# Allegro board Flatburn-main PCB.brd (continued)
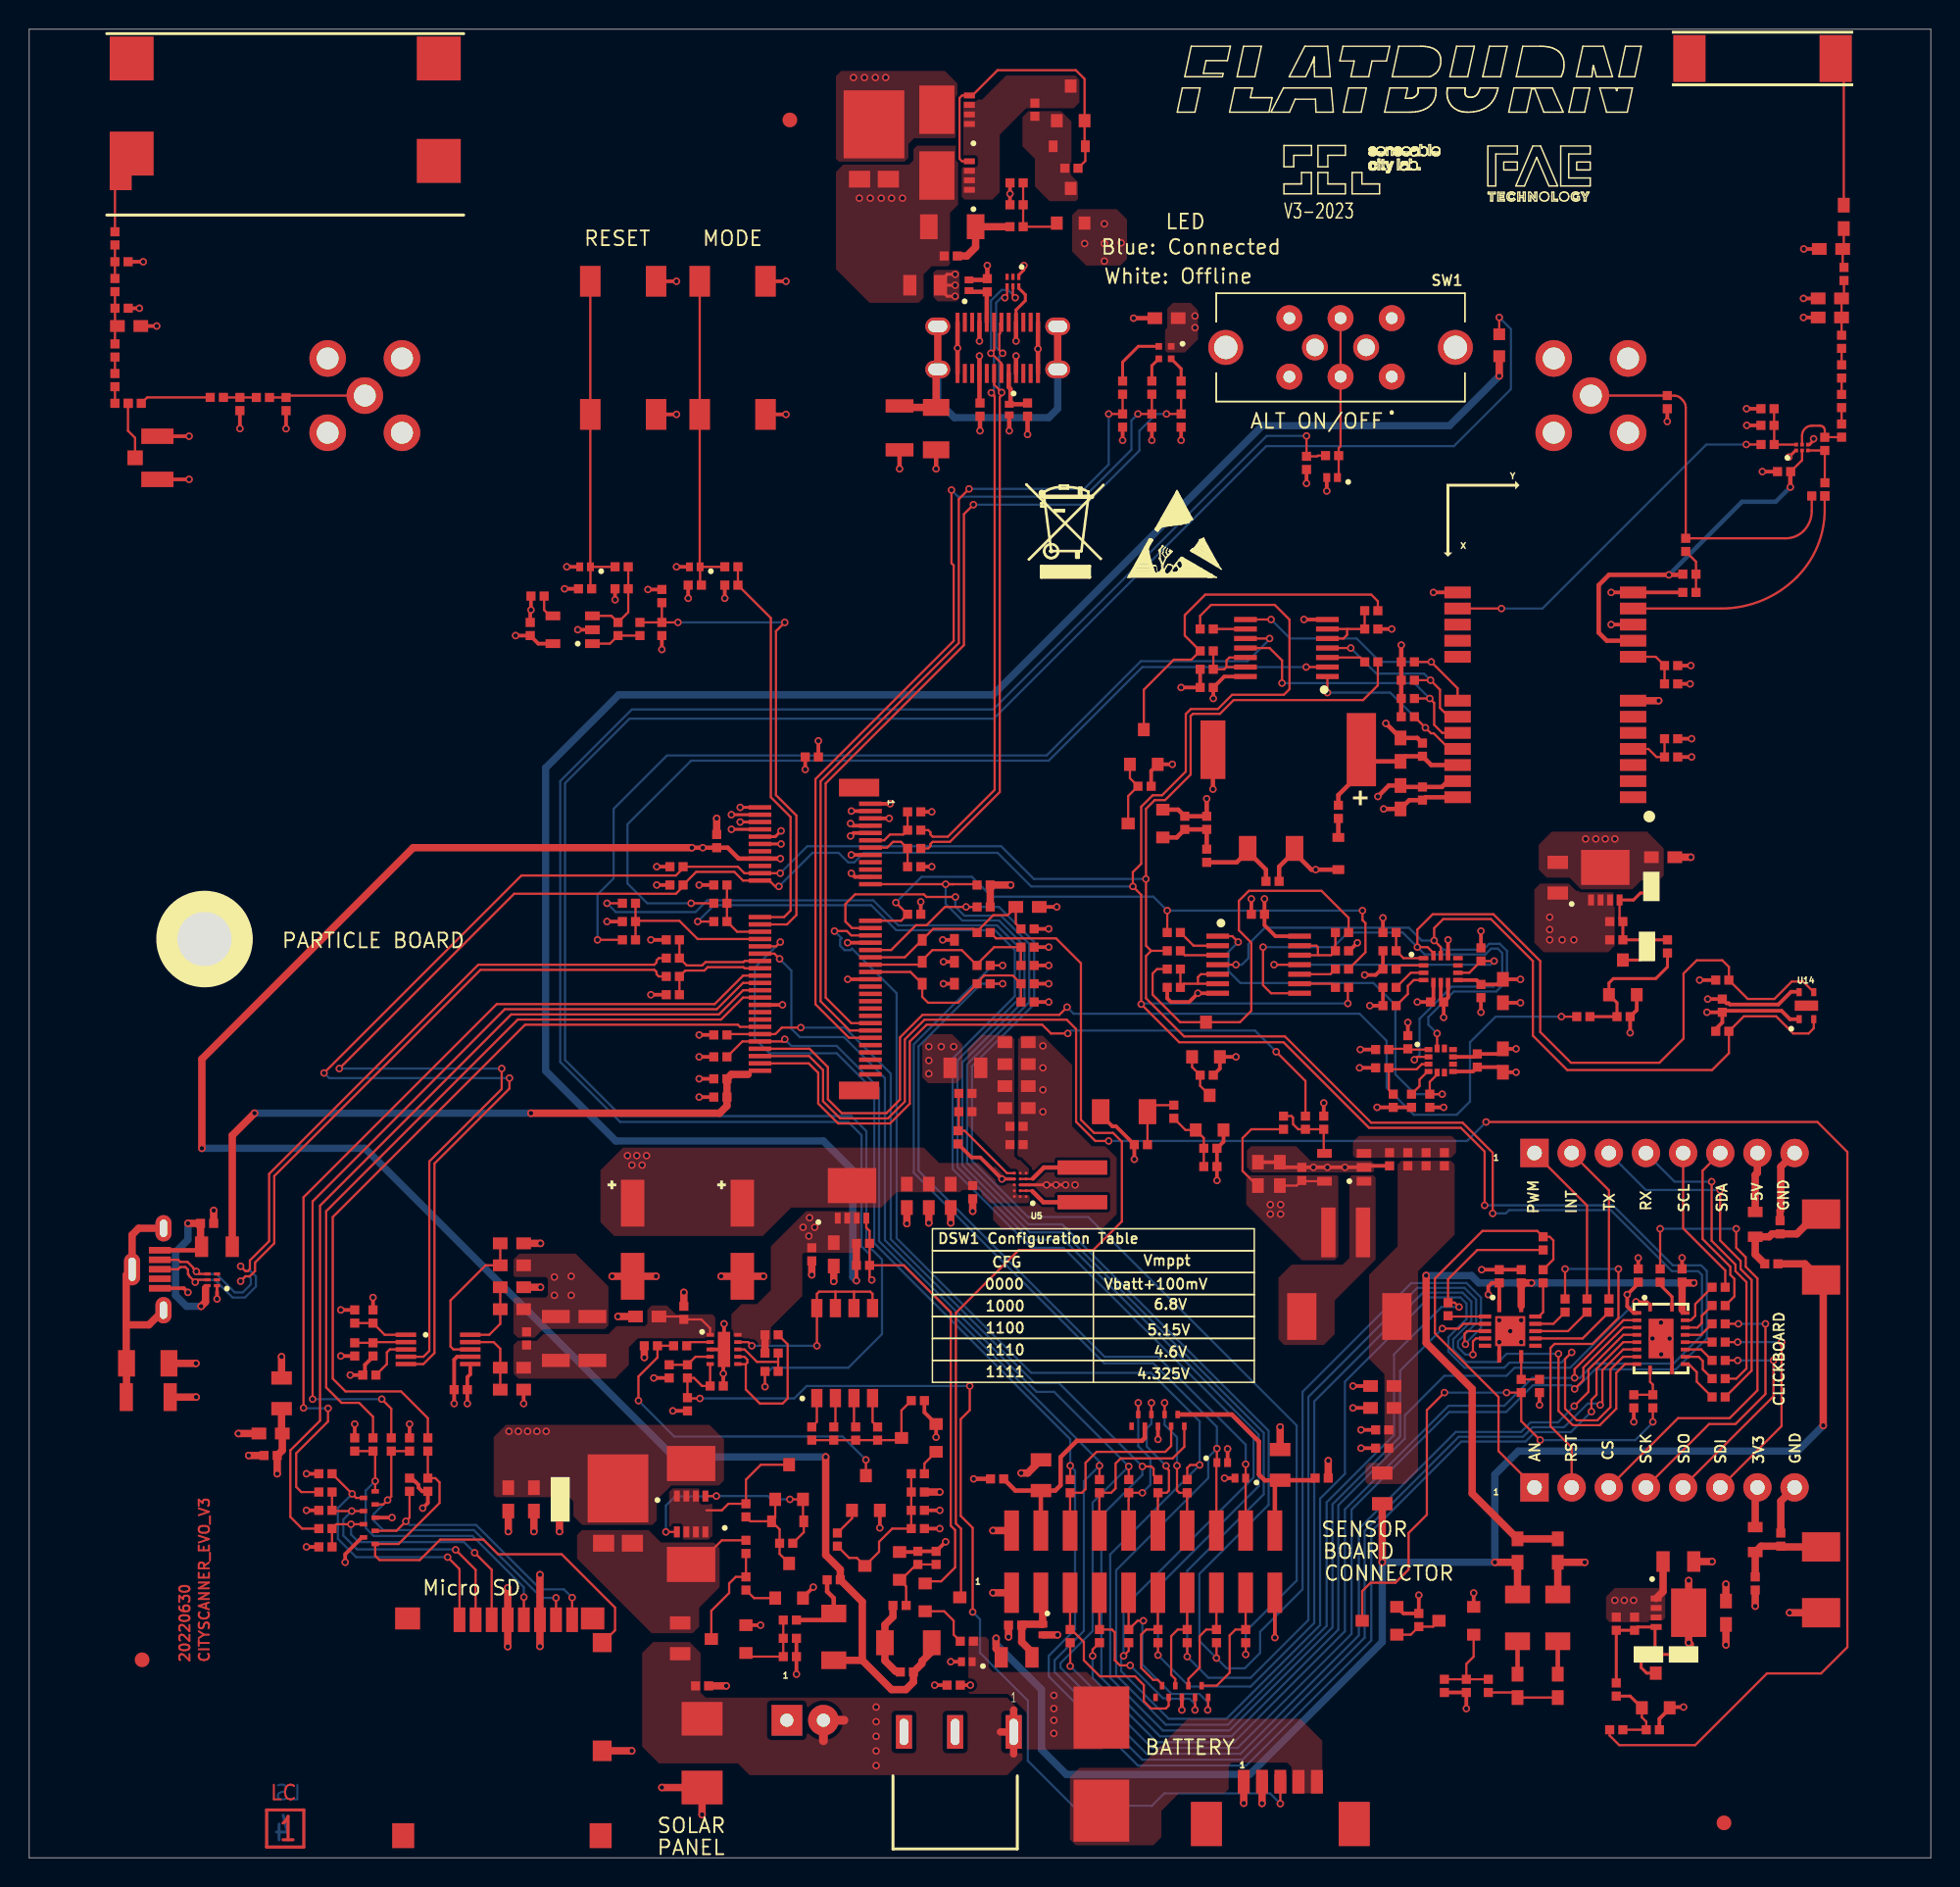
[diagram p0: board, top side]
## Library data of the parts
ANT1 = ANT - NN02-220 - LTE
ANT2 = ANT - NN02-224 - GNSS
C1 C5 C7 C9-C11 C13 C15-C20 C22 C24 C26-C30 C33 C36 C37 C44-C46 C53-C55 C58 C59 C62-C65 C71 C73-C75 C79 C87 C88 C90-C93 C95 C96 C98-C101 C103 C105 C106 = CS-C-0402-100n/50V
C2 C3 C25 C32 C41-C43 C47-C52 C56 C57 C60 C61 C78 C80 C89 = CS-C-0603-10u/10V-X5R
C4 = RS-0603-100k
C6 C12 = CS-C-1206-10n/1kV
C8 C84 = CS-C-0402-10n/50V
C14 C102 = CS-C-0402-1n/50V
C21 C23 = CS-E-D-220u/16V
C31 C34 C35 C72 C86 C94 C97 = CS-C-0603-1u/16V
C38 = CS-C-0402-22p/50V-NP0
C39 C40 = CS-C-0402-330p/50V-C0G
C67-C70 = CS-C-0402-33p/50V-C0G
C81 = CS-C-0402-2.2p/50V-C0G
C82 C83 C104 = CS-C-0402-1.2p/50V-C0G
C85 = CS-SCAP-DSK - 330mF/3.3V
DS1 DS3 = SCHOTTKY - FSV1045V - 10A/45V
DS2 DS4 DS8-DS11 = SCHOTTKY-BAT54J - 0.3A/40V
DS5 DS6 = SCHOTTKY-SS14 - 1A/40V
DS7 = SCHOTTKY-SS34 - 3A/40V
DSW1 = DIP-SW-4x-0127-SMD
DZ1 DZ4 DZ6 DZ7 = ZENER - MMSZ5221BT1G - 2V4/0.5W
DZ2 DZ3 DZ5 = ZENER - MMSZ5226BT1G - 3V3/0.5W
F1 = RAPIDO - 0154005.DR - 5A/125V
F2 F3 = PTC - 0ZCM0020FF2G - 0.2A/9V
FID1-FID3 = FIDUCIAL
J1 = XH - J-2-0250-MOT-S2B-XH-A
J2 = JACK - DC - 54-00125
J4 = PICOBLADE - J-5-0125-MDS
J5 = PICOBLADE - J-5-0125-MOS
J6 = USB-3 - USB-C - DX07S024WJ3R400
J7 = HEADER-J-10x2-0200 - MDS
J8 = USB - MICROUSB-B-FDS-1051330001
J9 J10 = STRIP-J-8-0254-FDT
J12 = M2 - J-75-0050-MOS-M2-E
J13 = uSD-J-8-0110-FOS-SD-M5027740891
J14 J16 = SMA - 0733910060
J15 = UFL - U-FL-R-SMT-1-10
L1-L6 L9 = FIL-BLM21PG221SN1D-220R/2A
L7 = PW-XAL4030-682ME - 6.8u/3.9A
L8 = PW-XAL4020-102ME-1u/8.7A
L10 = L - LQW15AN2N3G80D - 2.3n/2.53A
L11 R2 R4 R8 R9 R11 R12 R35 R38 R61 R62 R78 R91 R102 R110 R112 R117 R128 R131 R132 R134 R139-R142 R149 R179 R180 R184 R190 R204 R218 R222-R224 R228 R241 R244-R246 R251 R252 = RS-0402-0r
L12 L14 L18 L21 = L - LQW15AN9N2G80D - 9.2n/1.4A
L13 = L - LQW15AN11NG80D - 11n/1.4A
L15 = L - LQG15HS27NJ02D-27n/0.35A
L16 L19 L20 = L - LQW15AN3N9C00 - 3.9n/0.75A
L17 = L - LQW15AN7N5H00D - 7.5n/0.57A
LD1 = LED R - GENERICO - 0603
LD2 = LED RGB - SML-LX0404SIUPGUSB
MOD1 = GPS - NEO-M8U-06B
OBJ1 = DISTANZIALE - M2.5x0250
PB1 PB2 = PB-SPST - FSM14JSMAS
Q1 Q2 Q6 Q7 Q13 Q17 Q18 = PMOS - SISS27DN - 23A/30V
Q3 Q4 Q9 Q10 Q12 Q15 Q23 Q25 = NPN - BC817-25 - 0.5A/45V
Q5 Q14 Q16 Q19 Q20 = NMOS - BSS138 - 0.2A/50V
Q8 Q11 Q22 Q24 = PMOS - BSS84 - 0.13A/50V
R1 R7 R17 R37 R57 R64 R90 R94 R108 R109 R116 R118-R120 R123 R133 R143 R145 R146 R153 R154 R171-R173 R181 R183 R185-R188 R208 R213 R215-R217 R219 R232 R236 R240 R243 R255 = RS-0402-100k
R3 R10 R59 R60 R63 R65 R71-R73 R81 R92 R93 R97 R105 R114 R115 R122 R127 R135 R144 R211 R212 R214 R220 R221 R233 R235 R239 R253 R254 = RS-0402-10k
R5 R13 R51 R87 R130 R210 R234 R242 = RS-0402-1k
R6 R53 R54 R77 R88 R89 R111 R113 R124 R125 R129 R177 R178 R197 R206 R225 R230 = RS-0402-100r
R14 R16 = RS-0402-5.1k
R15 R31 = RS-1206-1M
R18-R29 R32 R36 R39-R47 R50 R168-R170 R174 R175 R202 R209 R226 R231 = RS-0402-33r
R33 R34 R48 R49 = RS-0603-0r
R66 R68 = RS-1206-0r04
R67 R69 R136 = RS-0402-470r
R70 R79 R82-R84 = RS-0402-22k
R74-R76 = RS-0603-10r
R85 = RS-0402-330r
R86 = RS-0402-5.6k
R96 R101 = RS-0402-39.2k
R98 R99 R106 R107 = RS-0805-0r
R103 = RS-0402-12.4k
R104 = RS-0402-13k
R121 R126 R189 = RS-0402-2.2k
R158-R164 = RS-0402-47k
R176 = RS-0402-270r
R191 = RS-0402-10r
R256 R257 = RS-0402-12k
SW1 = SW-DPDT - FS22ABP
TVS1 = TVS-BID - SMBJ10CA - 10V/600W
TVS2 TVS4 TVS5 TVS8-TVS10 TVS12-TVS14 = TVS-UNI-NSPU3051N2T5G -5.5V/USB
TVS3 TVS6 = TVS-UNI3x - ESDR0502NMUTBG -USB
TVS7 TVS11 TVS15 = TVS-UNI8x - D3V3F8U9LP3810-7
TVS16 TVS17 = TVS-BID - PESD0402-140 - 14V
U1 = LEVEL SHIFTER-4x - TXS0104ERGYR
U2 = LEVEL SHIFTER-8x - TXS0108ERGYR
U3 = BAT-CHARGE - BQ24210DQCT
U4 = POWER MONITOR - ISL28022FUZ
U5 = BUCK-BOOST-ISL91107IIAZ-2A/ADJ
U6 = BOOST - LMR62014XMFX - 1.4A/ADJ
U7 = SUPERVISORY-1x - TPS3823-33DBV
U11 U15 = ASW-4xSPST - 74LV4066PW
U12 = SEN-ACC - KXTJ3-1057_2
U13 = SEN-ACC-GYR - LSM6DSO32
U14 = SEN-UMIDITA-TEMP - SHTC3
U16 = LNA-RF - BGA725L6E6327FTSA1

## Footprints (pads in the part's own frame, mm; a bottom-side part is the same pattern mirrored in y, then rotated)
ANT-NN02-220
  custom 3x4 smd: 1(0,-7)
  rect 3x3 smd: 2(21,-7) 3(0,0) 4(21,0)
ANT-NN02-224
  rect 2.2x3.2 smd: 1(5,0) 2(-5,0)
CS-C-0402
  rect 0.62x0.62 smd: 1(-0.45,0) 2(0.45,0)
CS-C-0603
  rect 1x0.8 smd: 1(-0.8,0) 2(0.8,0)
CS-C-1206
  rect 1.15x1.8 smd: 1(-1.5,0) 2(1.4,0)
CS-E-D
  rect 3.2x1.6 smd: 1(2.5,0) 2(-2.5,0)
CS-SCAP-DSK
  rect 5x2 smd: 1(0,5.075)
  rect 4x1.7 smd: 2(0,-5.075)
D-XDFN2
  rect 0.47x0.6 smd: 1(-0.365,0) 2(0.365,0)
DIST-WASMSIM0250
  round 6 hole 3.7: 1(0,0)
DSS-4-0127-MCDHN
  rect 0.76x1.25 smd: 1(-1.905,-3.075) 2(-0.635,-3.075) 3(0.635,-3.075) 4(1.905,-3.075) 5(1.905,3.075) 6(0.635,3.075) 7(-0.635,3.075) 8(-1.905,3.075)
F-LT154
  rect 4.24x3.81 smd: 1(-3.185,0) 2(3.185,0)
FIDUCIAL
  round 1 smd: 1(0,0)
FS-0603
  rect 0.7x1 smd: 1(-0.85,0) 2(0.85,0)
J-2-0250-MOT-S2B
  rect 2.1x2.1 hole 0.9: 1(-1.25,3.45)
  round 2.1 hole 0.9: 2(1.25,3.45)
J-3-MDS-UFL
  rect 1x1.05 smd: 1(0,-1.525)
  rect 1.05x2.2 smd: 2(-1.475,0) 3(1.475,0)
J-5-0065-FDS-UUSB1051330001
  rect 0.45x1.5 smd: 1(-1.3,-0.25) 2(-0.65,-0.25) 3(0,-0.25) 4(0.65,-0.25) 5(1.3,-0.25)
  oval 1.8x1.1 hole 1.2x0.5: 6(-2.8,0) 7(2.8,0)
  oval 2.2x1.1 hole 1.6x0.5: 8(0,-2.15)
J-5-0125-MDS-PICOBLADE
  rect 2.1x3 smd: (-3.8,-2.75) (6.3,-2.75)
  rect 0.8x1.3 smd: 1(-1.25,0) 2(0,0) 3(1.25,0) 4(2.5,0) 5(3.75,0)
J-5-0125-MOS-PICOBLADE
  rect 2.1x3 smd: (-5.05,-0.6) (5.05,-0.6)
  rect 0.8x1.6 smd: 1(-2.5,2.3) 2(-1.25,2.3) 3(0,2.3) 4(1.25,2.3) 5(2.5,2.3)
J-8-0110-FOS-SD-M502774
  rect 1.5x1.7 smd: (-9.65,14.76) (3.85,14.76)
  rect 1.6x1.5 smd: (-9.1,-0.09)
  rect 1.7x1.5 smd: (3.55,-0.09)
  rect 0.8x1.68 smd: 1(0,0) 2(-1.1,0) 3(-2.2,0) 4(-3.3,0) 5(-4.4,0) 6(-5.5,0) 7(-6.6,0) 8(-7.7,0)
  rect 1.29x1.3 smd: 9(-9.755,1.56)
  rect 1.29x1.4 smd: 10(-9.755,8.96)
J-8-0254-FDT
  rect 1.94x1.94 hole 1: 1(-8.89,0)
  round 1.94 hole 1: 2(-6.35,0) 3(-3.81,0) 4(-1.27,0) 5(1.27,0) 6(3.81,0) 7(6.35,0) 8(8.89,0)
J-10X2-0200-MDS-878322014
  rect 1x2.75 smd: 1(0,0) 2(0,4.25) 3(2,0) 4(2,4.25) 5(4,0) 6(4,4.25) 7(6,0) 8(6,4.25) 9(8,0) 10(8,4.25) 11(10,0) 12(10,4.25) 13(12,0) 14(12,4.25) 15(14,0) 16(14,4.25) 17(16,0) 18(16,4.25) 19(18,0) 20(18,4.25)
J-24-0050-FDS-USBC-DX07
  round 0 hole 0.6 unplated: (-5.5,1.3) (5.5,1.3)
  oval 1.7x1.2 hole 1.3x0.8: 10(-4.1,1.47) 11(4.1,1.47) 12(-4.1,-1.47) 13(4.1,-1.47)
  rect 0.27x1.3 smd: A1(-2.75,1.75) A2(-2.25,1.75) A3(-1.75,1.75) A4(-1.25,1.75) A5(-0.75,1.75) A6(-0.25,1.75) A7(0.25,1.75) A8(0.75,1.75) A9(1.25,1.75) A10(1.75,1.75) A11(2.25,1.75) A12(2.75,1.75) B1(2.75,-1.75) B2(2.25,-1.75) B3(1.75,-1.75) B4(1.25,-1.75) B5(0.75,-1.75) B6(0.25,-1.75) B7(-0.25,-1.75) B8(-0.75,-1.75) B9(-1.25,-1.75) B10(-1.75,-1.75) B11(-2.25,-1.75) B12(-2.75,-1.75)
J-54-00125
  round 0 hole 1.3 unplated: (0,0)
  rect 1.1x2.3 hole 0.6x1.8: 1(4,5) 2(-3.5,5) 3(0,5)
J-75-0050-MOS-M2-E
  rect 1.2x2.75 smd: (-10.35,4.5) (10.35,4.5)
  round 0 hole 1.1 unplated: (-10,0)
  round 0 hole 1.6 unplated: (10,0)
  rect 0.3x1.55 smd: 1(-9.25,5.275) 2(-9,-2.275) 3(-8.75,5.275) 4(-8.5,-2.275) 5(-8.25,5.275) 6(-8,-2.275) 7(-7.75,5.275) 8(-7.5,-2.275) 9(-7.25,5.275) 10(-7,-2.275) 11(-6.75,5.275) 12(-6.5,-2.275) 13(-6.25,5.275) 14(-6,-2.275) 15(-5.75,5.275) 16(-5.5,-2.275) 17(-5.25,5.275) 18(-5,-2.275) 19(-4.75,5.275) 20(-4.5,-2.275) 21(-4.25,5.275) 22(-4,-2.275) 23(-3.75,5.275) 32(-1.5,-2.275) 33(-1.25,5.275) 34(-1,-2.275) 35(-0.75,5.275) 36(-0.5,-2.275) 37(-0.25,5.275) 38(0,-2.275) 39(0.25,5.275) 40(0.5,-2.275) 41(0.75,5.275) 42(1,-2.275) 43(1.25,5.275) 44(1.5,-2.275) 45(1.75,5.275) 46(2,-2.275) 47(2.25,5.275) 48(2.5,-2.275) 49(2.75,5.275) 50(3,-2.275) 51(3.25,5.275) 52(3.5,-2.275) 53(3.75,5.275) 54(4,-2.275) 55(4.25,5.275) 56(4.5,-2.275) 57(4.75,5.275) 58(5,-2.275) 59(5.25,5.275) 60(5.5,-2.275) 61(5.75,5.275) 62(6,-2.275) 63(6.25,5.275) 64(6.5,-2.275) 65(6.75,5.275) 66(7,-2.275) 67(7.25,5.275) 68(7.5,-2.275) 69(7.75,5.275) 70(8,-2.275) 71(8.25,5.275) 72(8.5,-2.275) 73(8.75,5.275) 74(9,-2.275) 75(9.25,5.275)
J-FDT-SMA-73391
  round 2.5 hole 1.5: 1(0,0) 2(-2.54,2.54) 3(2.54,2.54) 4(-2.54,-2.54) 5(2.54,-2.54)
LD-0404-SMLLX
  rect 0.45x0.45 smd: 1(0.425,0.425) 2(0.425,-0.425) 3(-0.425,-0.425) 4(-0.425,0.425)
LD-0603
  rect 0.8x0.8 smd: 1(-0.75,0) 2(0.75,0)
LS-0402
  rect 0.62x0.62 smd: 1(-0.45,0) 2(0.45,0)
LS-0603
  rect 1x0.8 smd: 1(-0.8,0) 2(0.8,0)
LS-0805
  rect 0.9x1.4 smd: 1(-1.05,0) 2(1.05,0)
LS-XAL40
  rect 0.98x3.4 smd: 1(-1.185,0) 2(1.185,0)
MOD-NEO-M8U
  rect 1.8x0.8 smd: 1(-0.1,1) 2(-0.1,2.1) 3(-0.1,3.2) 4(-0.1,4.3) 5(-0.1,5.4) 6(-0.1,6.5) 7(-0.1,7.6) 8(-0.1,10.6) 9(-0.1,11.7) 10(-0.1,12.8) 11(-0.1,13.9) 12(-0.1,15) 13(-12.1,15) 14(-12.1,13.9) 15(-12.1,12.8) 16(-12.1,11.7) 17(-12.1,10.6) 18(-12.1,7.6) 19(-12.1,6.5) 20(-12.1,5.4) 21(-12.1,4.3) 22(-12.1,3.2) 23(-12.1,2.1) 24(-12.1,1)
MSOP10
  rect 1.4x0.3 smd: 1(0,0) 2(0,-0.5) 3(0,-1) 4(0,-1.5) 5(0,-2) 6(4.4,-2) 7(4.4,-1.5) 8(4.4,-1) 9(4.4,-0.5) 10(4.4,0)
PB-FSM14JS
  rect 1.4x2.1 smd: 1(2.25,4.55) 2(2.25,-4.55) 3(-2.25,4.55) 4(-2.25,-4.55)
POWERVDFN8-0330X0330
  rect 0.4x0.75 smd: 1(-0.975,-1.525) 2(-0.325,-1.525) 3(0.325,-1.525) 4(0.975,-1.525)
  rect 3.31x2.4 smd: 5(0,0.7)
RS-0402
  rect 0.62x0.62 smd: 1(-0.45,0) 2(0.45,0)
RS-0603
  rect 1x0.8 smd: 1(-0.8,0) 2(0.8,0)
RS-0805
  rect 0.9x1.4 smd: 1(-1.05,0) 2(1.05,0)
RS-1206
  rect 0.9x1.9 smd: 1(-1.5,0) 2(1.5,0)
SENS-SHTC3
  rect 1.6x0.7 smd: (0,0)
  rect 0.35x0.55 smd: 1(-0.5,-0.925) 2(0.5,-0.925) 3(0.5,0.925) 4(-0.5,0.925)
SMA
  rect 2x2.6 smd: 1(0,0) 2(4.5,0)
SMB
  rect 2.3x2.8 smd: 1(0,0) 2(4.7,0)
SMC
  rect 2x3.2 smd: 1(-3.25,0) 2(3.25,0)
SOD123
  rect 1.2x1.7 smd: 1(0,0) 2(3.2,0)
SOD323
  rect 0.6x0.8 smd: 1(0,0) 2(2.2,0)
SOT23
  rect 0.9x0.8 smd: 1(0,0) 2(0,1.9) 3(-2.37,0.95)
SOT23-5
  rect 0.6x1 smd: 1(0,0) 2(0.95,0) 3(1.9,0) 4(1.9,2.7) 5(0,2.7)
SW-FS22ABP
  round 2.388 hole 1.6: (-2,4.35) (-2,-11.35)
  round 1.778 hole 1.194: (-2,-1.75) (-2,-5.25)
  round 1.778 hole 0.813: 1(0,0) 2(0,-3.5) 3(0,-7) 4(-4,0) 5(-4,-3.5) 6(-4,-7)
TO277-3
  rect 1.45x1.15 smd: 1(0.985,-2.75) 2(-0.985,-2.75)
  rect 4.15x4.65 smd: 3(0,1)
TSSOP14
  rect 0.35x1.55 smd: 1(0,0) 2(0.65,0) 3(1.3,0) 4(1.95,0) 5(2.6,0) 6(3.25,0) 7(3.9,0) 8(3.9,5.6) 9(3.25,5.6) 10(2.6,5.6) 11(1.95,5.6) 12(1.3,5.6) 13(0.65,5.6) 14(0,5.6)
UDFN3810-9
  rect 0.305x0.508 smd: 1(-1.8,-0.4) 2(-0.9,-0.4) 3(0,-0.4) 4(0.9,-0.4) 5(1.8,-0.4) 6(1.35,0.4) 7(0.45,0.4) 8(-0.45,0.4) 9(-1.35,0.4)
UFBGA15-0151X0215
  round 0.212 smd: A1(-0.4,0.8) A2(0,0.8) A3(0.4,0.8) B1(-0.4,0.4) B2(0,0.4) B3(0.4,0.4) C1(-0.4,0) C2(0,0) C3(0.4,0) D1(-0.4,-0.4) D2(0,-0.4) D3(0.4,-0.4) E1(-0.4,-0.8) E2(0,-0.8) E3(0.4,-0.8)
UFDFN6
  rect 0.42x0.22 smd: 1(-0.325,0.4) 2(-0.325,0) 3(-0.325,-0.4) 4(0.325,-0.4) 5(0.325,0) 6(0.325,0.4)
unnamed#2
  round 0 hole 3 unplated: (0,0)
VFLGA12
  rect 0.525x0.35 smd: 1(-0.838,0.75) 2(-0.838,0.25) 3(-0.838,-0.25) 4(-0.838,-0.75) 7(0.838,-0.75) 8(0.838,-0.25) 9(0.838,0.25) 10(0.838,0.75)
  rect 0.35x0.525 smd: 5(-0.25,-0.825) 6(0.25,-0.825) 11(0.25,0.825) 12(-0.25,0.825)
VFLGA14L
  rect 0.65x0.3 smd: 1(-1.175,0.75) 2(-1.175,0.25) 3(-1.175,-0.25) 4(-1.175,-0.75) 8(1.175,-0.75) 9(1.175,-0.25) 10(1.175,0.25) 11(1.175,0.75)
  rect 0.3x0.65 smd: 5(-0.5,-0.925) 6(0,-0.925) 7(0.5,-0.925) 12(0.5,0.925) 13(0,0.925) 14(-0.5,0.925)
VFQFN14-EXP-0350X0350
  rect 0.85x0.28 smd: 1(-1.725,-0.75) 7(1.725,-0.75) 8(1.725,0.75) 14(-1.725,0.75)
  rect 0.28x0.85 smd: 2(-1,-1.725) 3(-0.5,-1.725) 4(0,-1.725) 5(0.5,-1.725) 6(1,-1.725) 9(1,1.725) 10(0.5,1.725) 11(0,1.725) 12(-0.5,1.725) 13(-1,1.725)
  rect 2.05x2.05 smd: 15(0,0)
VFQFN20-EXP-0350X0450
  rect 0.25x0.6 smd: 1(-0.75,2.15) 10(-0.75,-2.15) 11(0.75,-2.15) 20(0.75,2.15)
  rect 0.6x0.25 smd: 2(-1.65,1.75) 3(-1.65,1.25) 4(-1.65,0.75) 5(-1.65,0.25) 6(-1.65,-0.25) 7(-1.65,-0.75) 8(-1.65,-1.25) 9(-1.65,-1.75) 12(1.65,-1.75) 13(1.65,-1.25) 14(1.65,-0.75) 15(1.65,-0.25) 16(1.65,0.25) 17(1.65,0.75) 18(1.65,1.25) 19(1.65,1.75)
  rect 1.7x2.7 smd: 21(0,0)
WSON10-EXP
  rect 0.5x0.25 smd: 1(-0.95,1) 2(-0.95,0.5) 3(-0.95,0) 4(-0.95,-0.5) 5(-0.95,-1) 6(0.95,-1) 7(0.95,-0.5) 8(0.95,0) 9(0.95,0.5) 10(0.95,1)
  rect 0.84x2.4 smd: 11(0,0)
XFDFN6
  rect 0.25x0.25 smd: 1(0.4,0.2) 2(0,0.2) 3(-0.4,0.2) 4(-0.4,-0.2) 5(0,-0.2) 6(0.4,-0.2)

## Nets
3V3: C15.1 C17.1 C30.1 C58.2 C59.2 C62.1 C78.1 C91.1 C99.1 DS8.1(C) DS9.1(C) DS10.1(C) J12.10 J12.12 L3.1 L9.1 LD2.1 Q11.2(S) Q17.1 Q17.2 Q17.3(S_3) Q18.1 Q18.2 Q18.3(S_3) Q22.2(S) Q24.2(S) R37.2 R71.2 R72.2 R73.2 R98.2 R106.1 R107.1 R108.1 R109.1 R116.2 R118.2 R119.2 R120.2 R121.2 R122.2 R123.2 R126.2 R127.2 R153.2 R154.2 R171.2 R172.2 R173.2 R208.2 R232.2 R239.2 U1.1 U2.2 U4.6 U7.5 U11.14(VCC) U15.14(VCC)
3V3#: C61.1 C93.1 C94.1 C95.1 C96.1 C97.1 C98.1 C106.1 DS5.2 DZ4.1(C) DZ7.1(C) L5.1 Q17.5 R34.2 R61.1 R106.2 R214.2 R215.2 R216.2 R217.2 R219.2 R228.2 R252.1 R253.2 U12.7(VDD#7) U13.5(VDDIO) U13.8 U13.12 U14.1
3V3_GPS: C60.1 C88.1 C89.1 C105.1 DS11.2 DZ6.1(C) MOD1.23 Q18.5 R107.2 R181.2 R183.2 R185.2 R186.2 R187.2 R188.2 R204.2 R243.2
5V: DS6.2 DZ3.1(C) L6.2 R33.2 R62.1 R99.1
GND_ANALOG: C72.2 C73.2 C74.2 J12.39 J12.49 R9.1 R143.1 R144.1 R145.1 R149.1
GND_DIGITAL: C1.2 C2.2 C3.2 C4.1 C5.1 C6.1 C7.2 C8.1 C9.2 C10.2 C11.2 C12.1 C13.2 C14.1 C15.2 C16.2 C17.2 C18.2 C19.1 C20.2 C21.2 C23.2 C25.2 C26.2 C27.2 C28.2 C29.2 C30.2 C31.2 C32.2 C33.2 C34.2 C35.2 C36.2 C37.2 C41.2 C42.2 C43.2 C44.2 C45.2 C46.2 C47.2 C48.2 C49.2 C50.2 C51.2 C52.2 C53.2 C54.2 C55.2 C56.2 C57.2 C60.2 C61.2 C62.2 C63.2 C64.2 C65.2 C67.2 C68.2 C69.2 C70.2 C71.2 C75.2 C78.2 C79.2 C80.2 C83.1 C84.2 C85.2 C86.2 C87.2 C88.2 C89.2 C90.2 C91.2 C92.1 C93.2 C94.2 C95.2 C96.2 C97.2 C98.2 C99.2 C100.1 C101.2 C103.2 J1.1 J2.2 J2.3 J4.1 J4.2 J5.1 J5.2 J6.A1 J6.A12 J6.B1 J6.B12 J7.1 J7.2 J7.19 J8.5 J9.8 J10.8 J12.1 J12.3 J12.5 J12.7 J12.9(PIN9) J12.15 J12.21 J12.56 J13.6(VSS) J13.10 J14.2 J14.3 J14.4 J14.5 J15.2 J15.3 J16.2 J16.3 J16.4 J16.5 L12.2 L13.2 L16.2 L19.2 L20.2 MOD1.7 MOD1.10 MOD1.12 MOD1.13 MOD1.24 OBJ1.1 PB1.1 PB1.2 PB2.1 PB2.2 Q4.2(E) Q5.2(S) Q10.2(E) Q12.2(E) Q14.2(S) Q15.2(E) Q16.2(S) Q19.2(S) Q20.2(S) Q23.2(E) Q25.2(E) R7.1 R9.2 R14.1 R15.1 R16.1 R17.1 R31.1 R57.2 R59.1 R60.1 R85.1 R86.1 R90.1 R91.1 R92.1 R93.1 R94.1 R103.1 R104.1 R105.1 R114.1 R115.1 R130.1 R146.1 R149.2 R211.1 R212.1 R213.2 R220.1 R221.1 R222.1 R223.1 R233.1 R235.1 R236.2 R240.1 R246.2 R251.2 R254.1 R255.1 SW1.3 SW1.6 TVS1.2 TVS2.2 TVS3.1 TVS4.2 TVS5.2 TVS6.1 TVS7.3 TVS8.2 TVS9.2 TVS10.2 TVS11.3 TVS12.2 TVS13.2 TVS14.2 TVS15.3 TVS16.2 TVS17.2 U1.7 U1.15 U2.11 U2.21 U3.3 U3.11 U4.7 U5.C1 U5.C2 U5.D3 U6.2 U7.2 U11.7 U12.9 U13.6 U13.7 U14.4(VSS) U15.7 U16.1 U16.4
VBAT: C22.1 C32.1 C36.1 F1.2 LD1.2 Q13.1 Q13.2 Q13.3(S_3) R8.2 R63.2 R64.2 R65.1 R81.1 TVS2.1(C) U3.10
VBAT#: C21.1 C23.1 C41.1 C42.1 C43.1 C44.1 C55.1 C56.1 C57.1 J12.2 J12.4 J12.6 J12.8 L7.2 Q13.5 R97.2 U5.A1 U5.A2 U5.A3 U5.B3 U5.C3 U6.5(VIN)
VBAT_SENSE: Q8.3 R133.1
VDD: U12.10
ACC_I2C_INT: R219.1 U12.5 U15.1
EN_3V3#: J12.70 R111.1
EN_3V3_GPS: J12.68 R113.1
EN_5V: J12.72 R102.2
EXP_3V3: C9.1 J7.20 L3.2 TVS7.6
EXP_3V3#: C10.1 J7.4 L5.2 TVS7.2
EXP_5: J7.5 R29.2 TVS11.2
EXP_5V: C11.1 J7.3 L6.1 TVS10.1(C)
EXP_6: J7.6 R28.1 TVS7.4
EXP_7: J7.7 R27.2 TVS11.4
EXP_8: J7.8 R26.1 TVS7.5(IO8)
EXP_9: J7.9 R25.2 TVS11.5(IO8)
EXP_10: J7.10 R24.1 TVS7.9
EXP_11: J7.11 R23.2 TVS11.9
EXP_12: J7.12 R22.1 TVS7.8
EXP_13: J7.13 R21.2 TVS11.8
EXP_14: J7.14 R20.1 TVS7.7
EXP_15: J7.15 R19.2 TVS11.7
EXP_17: J7.17 R18.2 TVS11.6
GPS_LNA_EN: MOD1.14 R242.1
GPS_RX: R142.1 U11.10
GPS_RXD/SPI_MOSI: MOD1.21 R185.1 U11.1
GPS_SCL/SPI_CLK: MOD1.19 R187.1 U11.4
GPS_SDA/SPI_CS: MOD1.18 R188.1 U11.8
GPS_TX: R140.1 U11.2
GPS_TXD/SPI_MISO: MOD1.20 R186.1 U11.11
GPS_VCC_RF: C101.1 MOD1.9 R191.1 U16.2(VCC)
I2C_SCL: J12.20 R27.1 R126.1 R202.1 R226.1 U2.3 U4.5
I2C_SDA: J12.22 R29.1 R121.1 R209.1 R231.1 U2.4 U4.4
IMU_I2C_INT: R215.1 U13.9 U15.11
IMU_INT: J12.33 R154.1 R218.1 R224.2
IO_VDD: U12.11
LED_B_NEN: J12.65 R172.1 R177.2
LED_G_NEN: J12.63 R173.1 R178.2
LED_R_NEN: J12.61 R171.1 R176.1
NOISE_AN: J7.18 R136.2 TVS8.1(C)
NOISE_INT: J12.41 R18.1 R120.1
NTC_BAT: C28.1 J4.3 J5.3 R70.1 R86.2 U3.5
ON/OFF: C22.2 C29.1 Q8.1 Q13.4 R65.2 R77.2
SNSR_I2C_SCL: R216.1 U12.12 U13.13 U14.2 U15.4
SNSR_I2C_SDA: R217.1 U12.2 U13.14 U14.3 U15.8
SPI1_MISO: J12.66 R26.2 R153.1 U2.7
SPI1_MOSI: J12.40 R28.2 U2.6
SPI1_SCK: J12.42 R24.2 U2.5
UART_RX: J12.38 R127.1 R141.2 R142.2
UART_TX: J12.36 R122.1 R139.2 R140.2
UBUS_AN: J7.16 R35.1 R38.1 R135.1 TVS9.1(C)
UBUS_CS: J12.64 R22.2 R239.1 U2.1
UBUS_EN: Q11.3 R53.2 R54.2
UBUS_INT: J12.23 R21.1 R123.1 U1.5
UBUS_PWM: J12.35 R19.1 U1.4
UBUS_RST: J12.37 R20.2 U1.3
UBUS_RX: R23.1 R141.1 U2.9
UBUS_SOCKET_3V3: F2.1 J9.7
UBUS_SOCKET_5V: F3.2 J10.7
UBUS_SOCKET_AN: J9.1 R35.2 R39.2
UBUS_SOCKET_CS: J9.3 R32.2
UBUS_SOCKET_INT: J10.2 R45.2
UBUS_SOCKET_MISO: J9.5 R46.2
UBUS_SOCKET_MOSI: J9.6 R44.2
UBUS_SOCKET_PWM: J10.1 R43.2
UBUS_SOCKET_RST: J9.2 R41.2
UBUS_SOCKET_RX: J10.3 R50.2
UBUS_SOCKET_SCK: J9.4 R42.2
UBUS_SOCKET_SCL: J10.5 R36.2
UBUS_SOCKET_SDA: J10.6 R40.2
UBUS_SOCKET_TX: J10.4 R47.2
UBUS_TX: R25.1 R139.1 U2.8
UBUS_VCC: C16.1 C18.1 R33.1 R34.1 U1.14(VCCB) U2.19(VCCB)
UC_MODE: C64.1 J12.32 R124.2
UC_RST: C65.1 J12.34 R119.1 R125.2
USB_D+: J6.A6 J6.B6 R128.1 TVS3.5
USB_D-: J6.A7 J6.B7 R131.1 TVS3.4
USB_MODEM_D+: J8.3 R132.2 TVS6.5
USB_MODEM_D-: J8.2 R134.2 TVS6.4
USD_SPI_CD: J12.62 R175.1
USD_SPI_CS: J12.48 R168.1
USD_SPI_MISO: J12.50 R174.1
USD_SPI_MOSI: J12.52 R169.1
USD_SPI_SCK: J12.54 R170.1
VCHARGER: C2.1 C3.1 C4.2 C24.1 DS1.3(C) DS3.3(C) Q2.5 Q7.5 R66.1 R68.1 R74.2 R75.2
VSOLAR: DS1.1 DS1.2 L1.2 Q1.5 R1.2
VSOLAR#: C1.1 J1.2 J2.1 L1.1 TVS1.1(C)
VUSB: C71.1 DS3.1 DS3.2 DZ1.1(C) DZ2.1(C) DZ5.1(C) J12.16 L2.2 Q6.5 R2.2 R12.2 R78.2
VUSB#: C7.1 J6.A4 J6.A9 J6.B4 J6.B9(VBUS#B9) L2.1 TVS3.6(VBUS)
VUSB_MODEM: C75.1 J12.74 L4.2 R146.2
VUSB_MODEM#: C13.1 J8.1(VCC) L4.1 TVS6.6(VBUS)
N16742457: Q1.1 Q1.2 Q1.3(S_3) Q2.1 Q2.2 Q2.3(S_3) Q3.3 R3.1
N16744908: C6.2 J6.10 J6.11 J6.12 J6.13 R15.2
N16755571: J6.B5 R16.2 TVS5.1(C)
N16755841: J6.A5 R14.2 TVS4.1(C)
N16763959: R71.1 U4.3
N16763966: R72.1 R92.2 U4.2
N16763970: R73.1 R93.2 U4.1
N16764353: C31.1 R74.1 U4.8
N16764357: C35.1 R76.1 U4.9
N16764361: C34.1 R75.1 U4.10(VINP)
N16765000: C24.2 C25.1 C26.1 R66.2 R68.2 R76.2 U3.1
N16766251: C12.2 J8.6 J8.7 J8.8 R31.2
N16769654: DS7.2 L7.1 U6.1
N16771181: R97.1 R102.1 R105.2 U6.4
N16771488: C39.1 C40.1 C51.1 C52.1 C53.1 C54.1 DS7.1(C) R99.2 R101.1
N16771495: C39.2 C40.2 R101.2 R104.2 U6.3
N16779224: L8.1 U5.D1 U5.D2
N16779242: L8.2 U5.B1 U5.B2
N16779338: C38.2 C45.1 C46.1 C47.1 C48.1 C49.1 C50.1 R96.2 R98.1 U5.E1 U5.E2(VOUT#E2)
N16781804: C38.1 R96.1 R103.2 U5.E3
N16788090: R63.1 U3.6 U3.7
N16789205: DSW1.5 DSW1.6 DSW1.7 DSW1.8 U3.9
N16789342: DSW1.1 R79.2
N16789347: DSW1.2 R82.2
N16789356: DSW1.3 R83.2
N16789368: DSW1.4 R84.2
N16791240: Q16.3 R79.1 R82.1 R83.1 R84.1 R91.2
N16795124: R69.2 U3.2
N16797422: C27.1 R70.2 U3.4(VTSB)
N16810474: C37.1 Q15.3 R81.2 R88.2 R89.1 R94.2
N16818664: R77.1 SW1.2 SW1.5 TVS12.1(C)
N16824148: Q14.3 R69.1 R85.2
N16829740: C58.1 C106.2 Q17.4 R108.2 R110.2 R257.2
N16830191: C59.1 C105.2 Q18.4 R109.2 R112.2 R256.2
N16831120: Q20.1 R110.1 R111.2 R114.2
N16831197: Q19.1 R112.1 R113.2 R115.2
N16838473: C19.2 DS5.1(C) F2.2 R61.2
N16838692: C20.1 DS6.1(C) F3.1 R62.2
N16842202: C68.1 J12.13 R131.2
N16842214: C67.1 J12.11 R128.2
N16846008: PB2.3 PB2.4 R116.1 R124.1 TVS14.1(C)
N16850582: C63.1 R117.1 R129.1 U7.3
N16850584: PB1.3 PB1.4 R118.1 R129.2 TVS13.1(C)
N16850996: R130.2 U7.4(WDI)
N16851400: R117.2 R125.1 U7.1
N16857926: C79.1 C80.1 J13.4 L9.2 R158.2 R159.2 R160.2 R161.2 R162.2 R163.2 R164.2 TVS15.9
N16862250: J13.1 R158.1 TVS15.6
N16862253: J13.2 R159.1 R168.2 TVS15.7
N16862256: J13.3 R160.1 R169.2 TVS15.8
N16862259: J13.5 R161.1 R170.2 TVS15.5(IO8)
N16862262: J13.7 R162.1 R174.2 TVS15.4
N16862265: J13.8 R163.1 TVS15.2
N16862268: J13.9 R164.1 R175.2 TVS15.1
N16863101: C70.1 J12.44 R132.1
N16863104: C69.1 J12.46 R134.1
N16881333: Q6.1 Q6.2 Q6.3(S_3) Q7.1 Q7.2 Q7.3(S_3) Q9.3 R10.1
N16884438: C72.1 DS9.2 J12.43 R133.2 R143.2
N16884441: C73.1 DS8.2 J12.45 R135.2 R144.2
N16897203: F1.1 J4.4 J4.5 J5.4 J5.5
N16904182: Q8.2(S) R8.1
N16927679: C81.1 R179.2
N16927743: J15.1 R179.1 R180.2
N16927747: C81.2 L10.1(C)
N16927751: C82.1 C83.2 L10.2 L12.1(C)
N16927759: C82.2 L11.1 L13.1(C)
N16927765: ANT1.1 L11.2
N16927819: J14.1 R244.2 TVS16.1(C)
N16937709: R206.2 R211.2 U11.5 U11.6
N16937718: R197.2 R212.2 U11.12 U11.13
N16939871: R209.2 U11.9
N16941848: DS11.1(C) R189.2
N16941882: MOD1.11 R184.1 R190.1
N16941886: R184.2 R241.1 U16.3
N16941922: C90.1 MOD1.8 R181.1
N16942023: J16.1 L15.2 R190.2 TVS17.1(C)
N16942061: C85.1 C86.1 C87.1 MOD1.22(V_BCKP) R189.1
N16942065: C84.1 L15.1(C) R191.2
N16942169: MOD1.4 R183.1 R255.2
N16949144: R225.2 R235.2 U15.12 U15.13
N16949201: Q24.3 R225.1 R230.1
N16949203: R230.2 R233.2 U15.5 U15.6
N16951290: R214.1 R221.2 U13.1
N16951627: R222.2 U13.2
N16951632: R223.2 U13.3
N16951637: R220.2 U13.4
N16955182: R202.2 U11.3
N16961764: Q22.3 R197.1 R206.1
N16962600: R231.2 U15.9
N16963064: R226.2 U15.3
N16963127: R224.1 U15.2
N16964016: R54.1 R59.2 U2.10
N16970677: DZ6.2 R204.1 R210.2
N16970681: Q22.1 Q23.3 R208.1
N16970726: C92.2 Q23.1 R210.1 R213.1
N16974349: DZ7.2 R228.1 R234.2
N16974369: Q24.1 Q25.3 R232.1
N16974408: C100.2 Q25.1 R234.1 R236.1
N16978201: DZ4.2 R48.1
N16978206: R48.2 R49.2 R51.2
N16978209: DZ3.2 R49.1
N16978418: C14.2 Q12.1 R51.1 R57.1
N16978421: Q11.1 Q12.3 R37.1
N16981159: R36.1 U2.18
N16981166: R40.1 U2.17
N16981173: R42.1 U2.16
N16981180: R44.1 U2.15
N16981187: R46.1 U2.14
N16981194: R47.1 U2.13
N16981201: R50.1 U2.12
N16986701: DZ2.2 R12.1 R13.2
N16986752: C8.2 Q10.1 R13.1 R17.2
N16987946: Q16.1 R88.1
N16989495: DZ5.2 R78.1 R87.2
N16989700: C33.1 Q15.1 R87.1 R90.2
N16991243: Q14.1 R89.2
N16993988: DZ1.2 R2.1 R5.2
N16994035: C5.2 Q4.1 R5.1 R7.2
N16995148: Q4.3 R1.1 R6.2
N16995522: Q5.1 R6.1
N16997120: DS2.2 Q1.4 Q2.4 Q3.2(E) R4.2
N16997331: DS2.1(C) Q3.1 Q5.3 R3.2 R4.1
N16997631: DS4.2 Q6.4 Q7.4 Q9.2(E) R11.2
N16997668: DS4.1(C) Q9.1 Q10.3 R10.2 R11.1
N17007889: R32.1 U2.20
N17010397: R53.1 R60.2 U1.8
N17011006: R38.2 U1.2
N17011572: LD1.1(C) R67.1
N17014997: C74.1 DS10.2 J12.47 R136.1 R145.2
N17017813: R39.1 U1.13
N17017816: R41.1 U1.12
N17017819: R43.1 U1.11
N17017822: R45.1 U1.10
N17029303: LD2.2(R) R176.2
N17029359: LD2.3 R177.1
N17029361: LD2.4 R178.1
N17074950: R64.1 R67.2 U3.8
N17091027: C102.1 L17.2
N17091030: L17.1(C) R241.2 U16.5
N17092927: R240.2 R242.2 R243.1 U16.6
N17094276: C102.2 L18.1(C)
N17094279: L18.2 L21.1(C)
N17094282: ANT2.1 L14.2
N17094290: C104.2 L14.1(C) L16.1(C)
N17112503: R180.1 R245.1
N17112506: R244.1 R245.2 R246.1
N17129954: C103.1 R252.2 U12.3
N17130209: R251.1 U12.4
N17131654: R253.1 R254.2 U12.1
N17134415: R218.2 U15.10
N17220254: C104.1 L19.1(C) L20.1(C) L21.2
N17269297: Q19.3 R256.1
N17270876: Q20.3 R257.1

Pads without a net: ANT1 2 3 4; ANT2 2; FID1 1; FID2 1; FID3 1; J6 A2 A3 A8 A10 A11 B2 B3 B8 B10 B11; J8 4; J12 14 17 18 19 51 53 55 57 58 59 60 67 69 71 73 75; MOD1 1 2 3 5 6 15 16 17; SW1 1 4; TVS3 2 3; TVS6 2 3; TVS7 1; TVS11 1; U1 6 9; U12 6 8; U13 10 11

## Via types
v1: diameter 0.508, hole 0.305, TOP to BOTTOM, 513 vias

## Routing (per net, layer and track width the routed paths; a pad name or vN(x,y) marks a point on that pad's centre or on a via; arc(x,y) is an arc through that point)
3V3: length 56.7
  TOP w0.2: J12.12 v1(51.4,69.3) ; v1(51.4,70.2) 51,69.8 J12.10
  TOP w0.25: R72.2 23.5,34.25 22.95,33.7 22.95,33.15 R71.2 v1(21.95,33) ; U11.14 81.7,80.75 C91.1 v1(80.95,79.25) ; R116.2 v1(45.05,86.1) ; R232.2 81.4,53.95 Q24.2 v1(82.5,54.75) ; R118.2 v1(36.6,86.75) ; v1(95,17.95) R37.2 93.95,16.7 Q11.2 ; R239.2 v1(45.8,56.25) ; U15.14 85.2,63 84.45,63.75 C99.1 v1(84.45,65.55) ; U7.5 34.8,83 C62.1 v1(33.25,83.55) ; R208.2 76.7,74.3 Q22.2 v1(78.15,74.75) ; R153.2 v1(45.8,54.75) ; R172.2 v1(76.75,96.9) ; U4.6 30.15,33.05 29.95,32.85 C30.1 v1(29.95,31.05) ; R171.2 v1(78.75,96.9) ; R73.2 v1(23.5,38.3) ; v1(62.45,62.75) DS9.1 ; U2.2 109.7,37.25 109.25,37.69 v1(109.25,38.5) 109.93,39.18 arc(109.98,39.26) C15.1 ; DS8.1 v1(62.5,61.25) ; R154.2 v1(60.95,65.35) ; R119.2 v1(43.25,82.6) ; U1.1 C17.1 100,39.3 99.75,39.05 v1(99.75,38.5) ; R127.2 v1(39.5,64) ; R126.2 v1(42.9,67.75) ; R122.2 v1(45.8,66.5) ; R173.2 v1(74.75,96.9) ; DS10.1 v1(62.5,59.75) ; R121.2 v1(42.9,66.5)
  TOP w0.5: Q17.1 111.7,18.2 R106.1 ; L9.1 v1(17.25,34.25) ; R120.2 R123.2 v1(67.1,66.5) ; L3.1 v1(85.52,29.45)
  vias: v1(61.5,55.45) v1(61.5,54.5) v1(61.5,53.6) v1(62.35,55.45) v1(63.2,55.45) v1(79.7,105.4) v1(79.7,104.6) v1(103.95,64.3) v1(103.95,63.45) v1(103.95,62.75) v1(104.8,62.75) v1(105.6,62.75) v1(108.4,17.6) v1(109.05,17.6) v1(109.69,17.6)
3V3#: length 47.6
  TOP w0.25: U14.1 120.38,57.33 119.8,57.9 115.85,57.9 C96.1 ; R252.1 v1(90.95,54) ; v1(101.65,53.7) C97.1 100.4,54.05 C93.1 98.7,53.75 U12.7 ; U13.12 v1(97,62.75) ; v1(101.95,60.05) C94.1 100.4,59.7 C95.1 98.95,60 U13.8 ; C96.1 v1(114.7,57.8) ; C96.1 115.75,57.1 115.3,56.65 R216.2 ; v1(94.9,58.5) C98.1 96,58.7 U13.5 ; R217.2 v1(114.2,60) ; R219.2 v1(96.7,51.3) ; R215.2 v1(99.25,63.35) ; v1(75.55,47.75) R228.2 74.3,50 74.05,50 73.25,50.8 DZ7.1 ; R253.2 v1(94.25,57.1) ; R214.2 v1(92.55,64.25)
  TOP w0.5: v1(67.82,26.3) 68.27,26.3 L5.1 ; DS5.2 v1(120.35,16.75) ; v1(106.35,20.2) R34.2 DZ4.1 ; C106.1 113.55,14.6 v1(113.45,14.7) Q17.5 v1(113.45,18.95) ; R106.2 v1(115.05,20.25) ; R61.1 v1(118,17.2) ; C61.1 v1(116,18.7)
3V3_GPS: length 20
  TOP w0.25: R183.2 v1(113.65,75.25) ; R243.2 v1(117.41,99.06) ; R181.2 v1(113.6,81.5)
  TOP w0.3: MOD1.23 96.98,73.6 96.58,73.2 C88.1 93.85,73.2 C89.1 92.95,73.3 v1(92.2,72.55) ; 86.5,68.8 DZ6.1 ; 86.5,68.8 86.5,68.7 87.65,67.55 v1(87.95,67.55) DS11.2 ; 86.5,68.8 85.45,67.75 R204.2 ; v1(93.8,82.9) R188.2 R187.2 R186.2 R185.2
  vias: v1(106.4,69.65) v1(107.1,69.65) v1(107.75,69.65) v1(108.4,69.65)
5V: length 102.2
  TOP w0.5: v1(92.5,20.2) R99.1 ; v1(122.65,29.55) 122.65,39.35 DS6.2 121.4,40.6 R62.1 ; DZ3.1 R33.2 v1(100.2,20.2) ; L6.2 66.45,13.95 66.1,14.3 v1(66.1,15)
  BOTTOM w0.5: v1(122.65,29.55) 120.9,27.8 101.8,27.8 100.2,26.2 v1(100.2,20.2) v1(92.5,20.2) 92.5,14.75 83.45,5.7 70.9,5.7 69.2,7.4 69.2,11.5 66.1,14.6 v1(66.1,15)
